# Altium PCB 400389.PcbDoc (part 7 of 8) (continued)
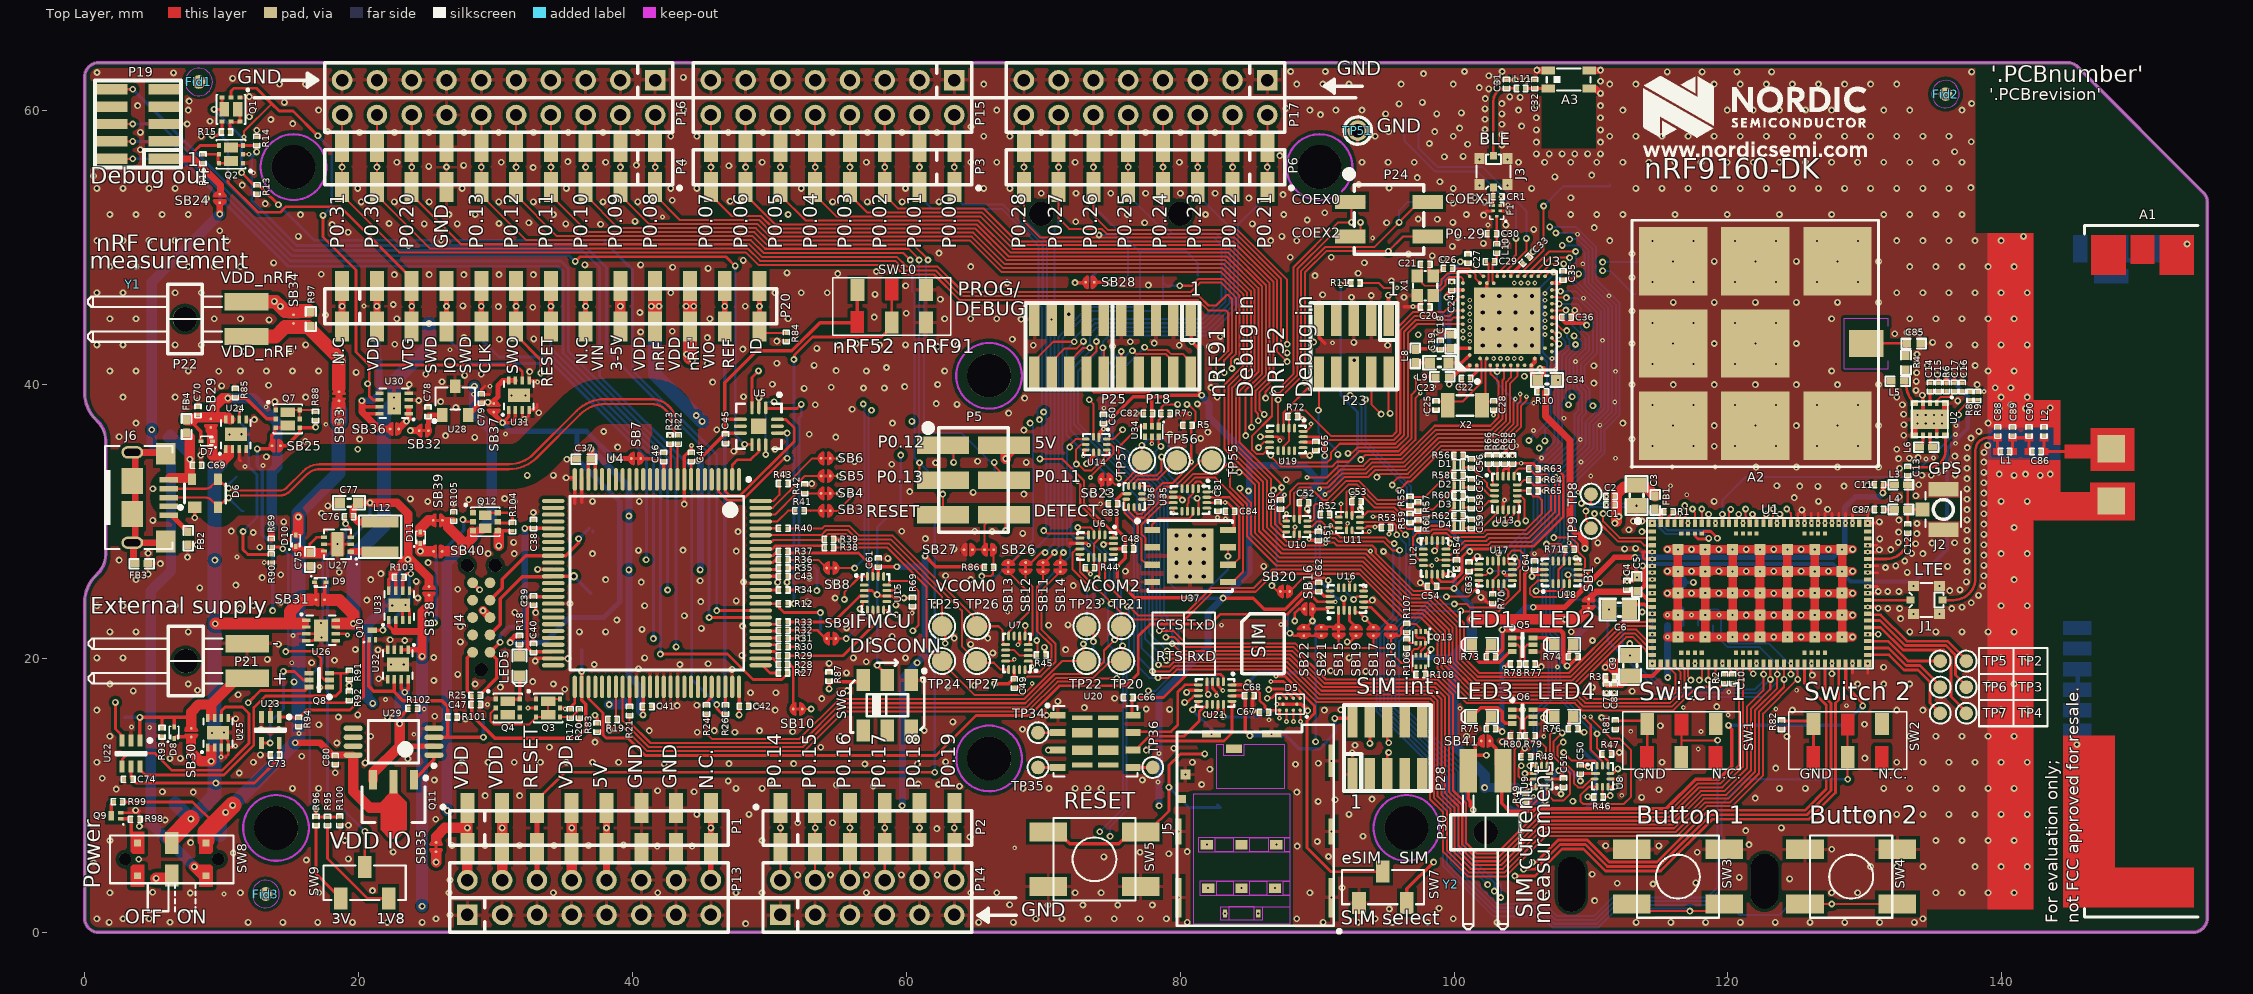
[diagram p0: Top Layer view]
## Nets (pads, with @x,y where several pads share a name; then routed paths per layer and width w, separated by ;. In a path a pad name is that pad's centre, name@x,y a point inside that pad or via, vN(x,y) a via of type N, cw(c..) or ccw(c..) an arc to the next point about the centre after c; other vN are vias at no path point) (continued)
VDD_nRF: C1.1 C2.1 C3.1 FB1.1 P20.10 P22.1 P26.10 R3.1 R97.1 SB34.1 | length 136.1
  Top Layer w0.8: v1@111.874,29.993 111.874,31.991 112.395,32.512 114.038,32.512 FB1.1@114.681,31.869
  Top Layer w1.016: P22.1@11.811,46.049 13.946,46.049 v1(14.288,45.707) 14.63,45.364 R97.1@16.383,45.364 ; P20.10@41.656,44.256 P20.10@41.656,47.186
  Mid-Layer 2 w1.016: 14.139,46.013 15.167,47.041 40.336,47.041 41.656,45.721 ; v1@44.78,37.617 v1(45.085,37.313) 45.269,37.129 45.269,35.529 49.682,31.115 72.216,31.115 73.328,30.003 94.646,30.003 95.885,31.242 107.747,31.242 109.322,29.667 111.467,29.667 111.893,30.093 112.004,30.093 ; v1(111.044,19.356) 111.531,19.843 111.531,29.39 111.262,29.659
  Bottom Layer w1.016: P26.10@41.656,47.117 P26.10@41.656,44.256 41.656,40.742 v1(44.653,37.744) v1(45.085,37.313)
  other v1: 111.531,19.787 111.748,29.883 112.045,30.355 41.377,45.721 41.935,45.72 13.843,46.076
VDD_nRF': P20.11 P22.2 P26.11 R97.2 SB33.2 SB34.2 | length 43.9
  Top Layer w1.016: P22.2@11.811,43.509 13.946,43.509 14.63,44.194 16.309,44.194 18.55,41.953 18.55,39.745 ; 44.196,41.961 P20.11@44.196,44.205 ; P20.11@44.196,44.256 44.196,45.721 P20.11@44.196,47.186
  Mid-Layer 2 w1.016: 18.542,41.961 44.196,41.961
  Bottom Layer w1.016: P26.11@44.196,44.256 44.196,45.721 P26.11@44.196,47.186
  other v1: 18.804,41.707 44.374,41.783 18.364,42.139 43.942,42.215 43.917,45.721 44.475,45.72
VEXT: D8.2 P21.2 R93.2 SB30.2 TP46.1 U22.1 U25.7 U25.8 | length 16.2
  Top Layer w0.254: U22.1@4.028,14.007 v1@4.028,15.698 ; v1@4.028,15.718 4.008,15.698 v1(4.022,15.698) v1@4.028,15.698 ; 4.832,15.698 v1@4.028,15.698 ; R93.2@5.639,14.891 5.639,15.607 5.659,15.607 ; D8.2@6.528,15.001 6.528,15.698 ; 7.419,14.893 SB30.2@7.772,14.893 ; 7.772,16.079 7.391,15.698 6.528,15.698 ; v1@4.028,15.698 6.528,15.698
  Top Layer w0.762: 7.772,15.068 7.772,16.079 8.331,16.638 9.22,16.638 ; 9.22,15.851 9.22,16.638 ; P21.2@11.862,18.543 11.125,18.543 9.22,16.638
  Bottom Layer w0.254: TP46.1@2.921,15.718 v1@4.028,15.718
VFB: C76.1 R95.1 R96.1 R100.2 U27.3 | length 26.1
  Top Layer w0.203: v1(16.891,9.018) 16.891,8.429 R100.2@18.629,8.429 ; C76.1@19.019,30.354 19.019,29.926 19.05,29.895 v1(19.05,29.846) 19.428,29.468 U27.3@19.428,28.845
  Bottom Layer w0.203: v1(16.891,9.018) 16.434,9.475 16.434,18.72 17.376,19.662 17.376,27.179 19.05,28.853 v1(19.05,29.846)
VIN: P1.8 P7.8 P13.16 | length 8.2
  Top Layer w0.381: P13.16@45.72,3.811 P1.8@45.72,6.156 v1(45.72,7.621) P1.8@45.72,9.086
  Bottom Layer w0.381: P7.8@45.72,6.156 v1(45.72,7.621) P7.8@45.72,9.086
VIN3-5V: D9.2 P20.9 P26.9 R94.2 SB31.2 U23.1 U26.7 U26.8 | length 62.5
  Top Layer w0.203: U23.1@14.202,15.724 15.215,15.724 15.285,15.653 R94.2@15.625,15.653 16.203,16.231 19.374,16.231 20.351,17.208 20.351,21.814 v1(19.616,22.55)
  Top Layer w0.254: SB31.2@17.508,24.283 17.508,24.637 17.508,25.446 D9.2@17.616,25.553
  Top Layer w0.762: P20.9@39.116,44.256 v1(39.116,45.721) P20.9@39.116,47.186
  Top Layer w0.889: 17.78,24.258 18.593,24.258 19.616,23.235 v1(19.616,22.55) 18.415,22.55
  Mid-Layer 2 w1.016: v1(25.146,44.451) 37.846,44.451 v1(39.116,45.721)
  Bottom Layer w0.381: P26.9@39.116,44.256 v1(39.116,45.721) P26.9@39.116,47.186
  Bottom Layer w1.016: v1(19.616,22.55) 19.616,27.491 21.844,29.719 21.844,37.898 22.593,38.647 22.593,40.222 25.146,42.775 v1(25.146,44.451)
VIN3-5V_EN: Q8.5 U23.4 U26.6 | length 14.9
  Top Layer w0.203: U23.4@12.902,13.824 v1(13.537,13.824) ; v1(14.503,19.05) 15.316,19.05 15.95,18.416 Q8.5@16.163,18.416 ; U26.6@18.322,21.798 19.054,21.798 19.134,21.718 v2(19.177,21.718)
  Mid-Layer 1 w0.203: v1(14.503,19.05) 15.08,19.05 16.706,20.676 18.135,20.676 v2(19.177,21.718)
  Bottom Layer w0.203: v1(13.537,13.824) 13.537,15.341 14.503,16.308 v1(14.503,19.05)
VIN3-5V_EN_INV: Q8.3 R91.1 U22.6 | length 22
  Top Layer w0.203: U22.6@4.028,12.107 4.028,11.874 4.42,11.482 10.16,11.482 12.344,13.666 12.344,16.408 13.197,17.261 18.327,17.261 18.694,17.628 18.694,18.891 18.72,18.916 ; Q8.3@17.863,18.916 18.72,18.916 ; R91.1@19.304,19.082 19.138,18.916 18.72,18.916
VIO: P1.1 P1.2 P1.4 P7.1 P7.2 P7.4 P13.2 P13.4 P13.8 SB35.1 | length 35.1
  Top Layer w0.762: 25.654,6.685 25.654,6.991 26.284,7.621 v1(27.94,7.621) ; P13.2@27.94,3.811 P1.1@27.94,6.156 v1(27.94,7.621) ; P1.1@27.94,9.086 v1(27.94,7.621) ; P13.4@30.48,3.811 v1(30.48,7.621) P1.2@30.48,9.086 ; P13.8@35.56,3.811 P1.4@35.56,9.086
  Mid-Layer 2 w0.762: v1(27.94,7.621) v1(30.48,7.621) v1(35.56,7.621)
  Bottom Layer w0.762: P7.1@27.94,6.156 P7.1@27.94,9.086 ; P7.2@30.48,6.156 P7.2@30.48,9.086 ; P7.4@35.56,6.156 P7.4@35.56,9.086
VIO_REF: P20.12 P26.12 Q10.1 R101.1 TP53.1 U29.3 U32.6 | length 71.1
  Top Layer w0.254: Q10.1@20.725,21.312 20.725,17.986 21.107,17.603 22.554,17.603 ; U32.6@22.61,18.484 22.61,17.66 22.554,17.603 ; U29.3@25.498,14.243 26.514,14.243 ; v1(29.108,14.243) 26.514,14.243 ; 22.554,17.603 23.239,16.917 26.086,16.917 26.514,16.489 26.514,14.243
  Top Layer w0.381: P20.12@46.736,44.256 v1(46.736,45.721) P20.12@46.736,47.186
  Mid-Layer 2 w0.254: v1(29.108,14.243) 36.518,14.243 37.621,15.345 46.326,15.345 v1(46.736,14.935)
  Bottom Layer w0.254: v1(29.108,14.243) TP53.1@29.108,15.386 ; v1(46.736,14.935) P26.12@46.736,44.256
  Bottom Layer w0.381: P26.12@46.736,44.256 v1(46.736,45.721) P26.12@46.736,47.186
VIOEXT: C55.2 R55.2 R57.2 R59.2 R61.2 R63.2 R64.2 R65.2 R66.2 R67.2 U12.15 U13.14 U13.15 | length 35.7
  Top Layer w0.2: U12.15@98.777,26.156 98.781,26.152 98.781,25.864 99.039,25.606 99.927,25.606 100.581,26.26 100.581,27.403 101.163,27.986 102.598,27.986 102.802,28.189 105.786,28.189 107.976,30.379 107.976,33.363 107.481,33.858 v2(106.553,33.858) R63.2@106.076,33.858 106.076,33.922 105.743,34.255 v2(104.902,34.255) 104.288,34.255 C55.2@104.267,34.234 104.267,34.163 103.984,33.88 ; U13.15@103.584,33.305 103.584,33.734 103.702,33.852 103.956,33.852 103.984,33.88 ; U13.14@103.984,33.305 103.984,33.88
  Top Layer w0.203: R59.2@96.774,29.966 97.937,29.966 v1(97.968,29.997) ; R55.2@96.774,31.262 v2@97.81,31.262 ; v2(102.063,34.804) R66.2@102.514,34.804 R67.2@103.099,34.804 ; R65.2@106.076,32.233 v2(106.553,32.233) ; R64.2@106.076,33.045 v2(106.553,33.045)
  Mid-Layer 1 w0.203: v2(97.866,31.267) 97.866,31.228 97.968,31.126 v1(97.968,29.997) ; v2(102.063,34.804) 102.612,34.255 v2(104.902,34.255) ; v2(106.553,32.233) v2(106.553,33.045) v2(106.553,33.858)
  Bottom Layer w0.203: v1(97.968,29.997) 99.06,29.997 101.144,27.914 v1(101.144,27.812)
VREG: C76.2 C77.2 L12.2 R103.2 SB38.2 SW9.2 TP50.1 U33.7 U33.8 | length 76.6
  Top Layer w0.203: SW9.2@20.442,4.774 20.442,7.362 v1(20.451,7.371)
  Top Layer w0.254: U33.8@22.212,24.952 22.212,25.794 22.504,26.087 ; U33.7@22.712,24.952 22.712,25.503 22.699,25.515 22.699,26.128 22.712,26.128
  Top Layer w0.508: v1(20.828,31.37) C77.2@19.979,31.37 19.589,30.98 C76.2@19.589,30.354 19.965,29.978 L12.2@21.559,29.978
  Top Layer w0.635: v1(20.828,31.37) 22.806,31.37 23.622,30.554 v1@23.622,27.401 ; 22.504,26.087 22.504,26.283 v1@23.622,27.401 ; 25.135,25.425 25.135,25.888 v1@23.622,27.401
  Mid-Layer 2 w0.762: v1(21.031,16.713) 38.227,16.713 v1(38.303,16.637)
  Bottom Layer w0.203: v1(20.451,7.371) 17.729,10.093 17.729,27.033 20.828,30.132 v1(20.828,31.37)
  Bottom Layer w0.762: v1(21.031,16.713) 20.625,17.12 20.625,22.09 20.655,22.119 20.655,22.458 22.708,24.511 22.708,26.34 v1(23.597,27.229) ; v1(38.303,16.637) 39.204,16.637 TP50.1@39.37,16.803
VREG_EN: Q10.3 R103.1 U33.6 | length 7.4
  Top Layer w0.254: Q10.3@21.006,22.068 v1(21.768,22.068) ; U33.6@23.212,24.952 23.212,25.899 R103.1@23.247,25.934 23.501,26.188 v1(23.8,26.188)
  Bottom Layer w0.254: v1(21.768,22.068) 23.679,23.979 23.679,26.068 v1(23.8,26.188)
VSENSE_SW_OUT: SB38.1 SW8.2 TP48.1 U32.1 U32.2 U33.1 U33.2 | length 50.9
  Top Layer w0.254: U33.1@22.212,22.802 22.212,22.367 22.606,21.972 22.712,22.077 U33.2@22.712,22.802 ; U32.2@23.11,20.634 U32.1@23.61,20.634
  Top Layer w0.381: U32.1@23.61,20.634 24.589,20.634 24.632,20.677
  Top Layer w0.508: 22.606,21.972 24.555,21.972 24.632,22.048
  Top Layer w0.635: v1(24.632,20.147) 24.632,20.677 24.632,22.048 24.632,23.439 25.135,23.943 25.135,24.451
  Top Layer w0.889: v1@5.21,3.935 SW8.2@6.35,3.935
  Mid-Layer 2 w0.889: v1(5.207,3.938) 7.239,1.906 v1(24.632,1.906) v1@24.638,1.906
  Bottom Layer w0.889: v1(24.632,1.906) v1(24.632,20.147) 24.632,21.304 TP48.1@24.74,21.412
VSUPPLY: C80.2 D10.2 Q11.2 R91.2 R92.2 R99.2 SB32.2 SB33.1 SW8.6 TP49.1 U29.8 | length 70.1
  Top Layer w0.203: R99.2@2.698,9.526 7.874,9.526 9.462,7.939 ; R92.2@19.304,17.558 v1(19.304,18.02) R91.2@19.304,18.512
  Top Layer w0.508: v1(15.367,13.844) 17.174,13.844 18.076,12.943 U29.8@19.598,12.943 ; v1(23.783,36.637) 24.243,36.637 SB32.2@24.418,36.637
  Top Layer w0.762: D10.2@15.499,29.154 15.596,29.25 v1(15.596,30.328) ; U29.8@19.598,12.775 19.598,10.287 20.793,9.092 22.548,9.092
  Top Layer w1.016: v1(18.542,37.339) v1(18.542,38.101) 18.542,38.576
  Top Layer w1.27: SW8.6@8.85,6.735 8.85,7.327 9.462,7.939 v1(10.279,8.756) v1(10.795,9.272)
  Mid-Layer 2 w0.203: v1(15.291,18.288) 15.519,18.517 18.807,18.517 v1(19.304,18.02)
  Mid-Layer 2 w0.508: v1(18.542,38.101) 20.32,38.101 21.784,36.637 v1(23.783,36.637)
  Bottom Layer w1.016: TP49.1@9.869,7.113 9.869,8.346 v1(10.279,8.756) v1(10.795,9.272) v1(15.367,13.844) 15.621,14.098 15.621,30.328 15.621,30.608 18.542,33.529 v1(18.542,37.339)
  Bottom Layer w1.27: v1(18.542,37.339) v1(18.542,38.101)
VSUPPLY': C73.1 C74.2 D7.1 D8.1 D9.1 D11.1 SB29.1 SB30.1 SB31.1 SB40.1 SW8.5 TP47.1 U22.5 U23.5 U24.1 U24.2 U25.1 U25.2 U26.1 U26.2 | length 80
  Top Layer w0.203: U22.5@3.378,12.107 3.378,11.259 C74.2@3.46,11.177 3.739,10.898 v1(9.576,10.898) 12.388,10.898 14.202,12.711 U23.5@14.202,13.824
  Top Layer w0.254: D8.1@6.528,14.161 6.635,14.268 7.419,14.268 SB30.1@7.772,14.268 ; D9.1@16.776,25.553 16.883,25.446 16.883,24.637 SB31.1@16.883,24.283
  Top Layer w0.762: 7.755,14.094 7.755,13.175 8.433,12.498 v1(9.22,12.498) 9.22,13.311 ; 9.208,36.7 9.323,36.584 D7.1@9.323,35.866 9.323,34.836 v1@9.906,34.253 ; v1(9.906,34.214) 10.528,34.836 10.528,35.205 ; v1@24.511,27.813 v1(24.511,27.839) 24.511,28.219 ; v1@24.638,27.814 25.294,27.814
  Top Layer w0.889: v1@9.55,22.55 14.986,22.55 ; 15.929,22.55 14.986,22.55 ; 16.561,24.283 15.85,24.283 14.986,23.42 14.986,22.55
  Top Layer w1.016: SW8.5@6.35,6.735 SW8.5@6.35,6.884
  Top Layer w1.27: SW8.5@6.35,6.884 v1(7.747,8.281)
  Mid-Layer 2 w0.762: v1(9.5,27.178) 19.05,27.178 19.882,28.01 24.188,28.01 v1@24.511,27.687
  Bottom Layer w1.016: TP47.1@6.604,9.399 7.722,8.281 v1(7.747,8.281) 9.463,9.997 9.463,33.77 v1(9.906,34.214)
  other v1: 9.525,22.53
pads on no net: A2.11 D5.C4 Fid1.0 Fid2.0 Fid3.0 J4.0 J4.5 J4.7 J4.8 J4.9 J5.C6 J5.CSW J5.DSW J6.4 J6.6@3.468,28.451 J6.6@3.468,35.051 J7.0 J7.1 J7.3 J7.5 P18.7 P18.8 P19.7 P19.8 P19.9 P21.0 P22.0 P23.7 P23.8 P25.11 P25.13 P28.3 P28.7 P28.8 P28.9 P28.10 P29.0 P30.0 Q4.3 Q4.4 Q4.5 Q14.3 Q14.4 Q14.5 SW1.1 SW2.1 SW6.4 SW6.5 SW6.6 SW8.0 SW8.1 U1.10 U1.45 U1.51 U1.64 U1.70 U1.71 U1.73 U1.104 U1.105 U1.106 U1.107 U1.108 U1.109 U1.110 U1.111 U1.112 U1.113 U1.114 U1.115 U1.116 U1.117 U1.118 U1.119 U1.120 U1.121 U1.122 U1.123 U1.126 U1.127 U2. U3. U3.A18 U3.AB2 U3.AC5 U3.AC17 U3.AD4 U3.AD6 U3.U1 U4.1 U4.5 U4.6 U4.7 U4.13 U4.14 U4.15 U4.16 U4.17 U4.18 U4.19 U4.20 U4.21 U4.26 U4.27 U4.28 U4.29 U4.31 U4.32 U4.33 U4.35 U4.38 U4.39 U4.42 U4.43 U4.44 U4.45 U4.46 U4.47 U4.50 U4.54 U4.55 U4.56 U4.67 U4.68 U4.69 U4.70 U4.72 U4.86 U5.5 U5.11 U5.13 U6.1 U6.5 U6.9 U6.13 U7.3 U7.7 U7.11 U7.15 U12.1 U12.5 U12.9 U12.10 U12.13 U14.7 U15.1 U15.5 U15.9 U15.13 U16.9 U16.11 U16.12 U16.13 U17.1 U17.5 U17.9 U17.11 U17.12 U17.13 U18.1 U18.5 U18.9 U18.11 U18.12 U18.13 U19.1 U19.5 U19.9 U19.11 U19.12 U19.13 U20.0 U21.10 U29.5 U29.6 U29.7 U34.4 U35.1 U35.5 U35.9 U35.13 U36.5 U36.7
copper on no net: | length 0.2
  Top Layer w0.203: 103.633,27.11 103.633,27.242 ; 108.417,27.11 108.417,27.134
  other v1: 145.485,13.717 153.534,50.267

## Polygon pours and split planes (outlines as drawn)
GND on Mid-Layer 2 "Mid_Layer_2-GND" (solid, remove dead copper, pour order 20): 0,0.001 0,63.501 155,63.501 155,0.001
GND on Bottom Layer "Bottom_Layer-GND" (solid, remove dead copper, pour order 18): 0,0.001 0,63.501 142.24,63.501 142.24,0.001
GND on Mid-Layer 1 "Mid_Layer_1-GND" (solid, remove dead copper, pour order 22): 0,0.001 0,63.501 155,63.501 155,0.001
GND on Top Layer "Top_Layer-GND" (solid, remove dead copper, pour order 24): 0,0.001 0,63.501 142.284,63.501 142.284,0.001

## Keep-outs
Top Layer:
  region: 82.659,10.477 82.659,13.726 83.16,13.727 83.16,12.929 84.684,12.929 84.684,13.727 87.579,13.733 87.579,10.482
  region: 83.591,0.889 83.591,1.905 85.369,1.905 85.369,0.889
  region: 82.55,5.893 82.55,6.909 83.871,6.909 83.871,5.893
  region: 85.09,5.893 85.09,6.909 86.411,6.909 86.411,5.893
  region: 85.09,2.718 85.09,3.734 86.309,3.734 86.309,2.718
  region: 82.652,2.718 82.652,3.734 83.871,3.734 83.871,2.718
  region: 87.63,5.893 87.63,6.909 87.986,6.909 87.986,5.893
  region: 87.528,2.718 87.528,3.734 87.986,3.734 87.986,2.718
  region: 80.975,0.602 80.975,10.127 87.986,10.127 87.986,6.909 81.331,6.909 81.331,5.893 87.986,5.893 87.986,3.734 81.432,3.734 81.432,2.718 87.986,2.718 87.986,1.829 82.931,1.829 82.931,0.914 86.03,0.914 86.03,1.88 87.986,1.88 87.986,0.602
  lines w0.152: 16.336,8.024 ccw(c13.97,7.621) 16.339,8.007 ; 17.606,56.284 ccw(c15.24,55.881) 17.609,56.267 ; 68.406,13.104 ccw(c66.04,12.701) 68.409,13.087 ; 68.406,41.044 ccw(c66.04,40.641) 68.409,41.027 ; 91.077,53.659 cw(c90.17,55.881) 91.803,54.122 ; 98.886,8.024 ccw(c96.52,7.621) 98.889,8.007
Mid-Layer 1:
  circle w0.152: c13.97,7.621 r2.4
  circle w0.152: c15.24,55.881 r2.4
  circle w0.152: c66.04,12.701 r2.4
  circle w0.152: c66.04,40.641 r2.4
  circle w0.152: c90.17,55.881 r2.4
  circle w0.152: c96.52,7.621 r2.4
Mid-Layer 2:
  circle w0.152: c13.97,7.621 r2.4
  circle w0.152: c15.24,55.881 r2.4
  circle w0.152: c66.04,12.701 r2.4
  circle w0.152: c66.04,40.641 r2.4
  circle w0.152: c90.17,55.881 r2.4
  circle w0.152: c96.52,7.621 r2.4
Bottom Layer:
  circle w0.152: c13.97,7.621 r2.4
  circle w0.152: c15.24,55.881 r2.4
  circle w0.152: c66.04,12.701 r2.4
  circle w0.152: c66.04,40.641 r2.4
  circle w0.152: c96.52,7.621 r2.4
  lines w0.152: 90.893,53.592 cw(c90.17,55.881) 91.929,54.248
Keep-Out Layer:
  circle w0.152: c66.04,12.701 r2.4
  circle w0.152: c15.24,55.881 r2.4
  circle w0.152: c66.04,40.641 r2.4
  circle w0.152: c96.52,7.621 r2.4
  circle w0.152: c13.97,7.621 r2.4
  lines w0.152: 90.885,53.59 cw(c90.17,55.881) 91.893,54.21
  lines w0.254: 145.55,63.193 154.72,54.024 cw(c153.996,53.329) 154.999,53.342 155,1.036 cw(c153.964,1.036) 153.964,0 ; 145.551,63.193 ccw(c144.829,62.501) 144.829,63.501 1.016,63.501 ccw(c1.016,62.485) 0,62.485 0,39.381 ccw(c2.716,39.381) 0.796,37.46 0.962,37.294 cw(c-0.393,35.938) 1.524,35.938 1.524,35.751 1.524,27.751 1.524,27.564 cw(c-0.394,27.564) 0.962,26.208 0.796,26.042 ccw(c2.717,24.121) 0,24.121 0,1.017 ccw(c1.016,1.017) 1.016,0.001 153.964,0.001

## Other copper
Top Layer:
  rectangle net GND: 141.732,30.087 142.85,34.416
  rectangle net GND: 141.732,36.867 142.85,38.837
  rectangle net SWITCH1: 116.108,14.366 117.108,15.966
  region net VDD_IMCU: 56.92,45.379 55.92,45.379 55.92,43.779 56.92,43.779
  region net NetR81_2: 114.592,13.592 113.592,13.592 113.592,11.992 114.592,11.992
  region: 119.592,13.592 118.592,13.592 118.592,11.992 119.592,11.992
  region: 131.738,13.592 130.738,13.592 130.738,11.992 131.738,11.992
  region net NetR82_2: 126.738,13.592 125.738,13.592 125.738,11.992 126.738,11.992
  rectangle net NetR12_1: 58.436,46.153 59.436,47.753
  rectangle net SWITCH2: 128.254,14.366 129.254,15.966
  region net VDD_nRF: 111.55,18.5 111.55,18.8 111.25,19.1 110.9,19.1 110.775,19.225 110.775,19.475 111.35,20.05 111.85,20.05 111.95,19.95 111.95,18.5
  region: 111.862,30.328
  pour cut-out: 20.351,19.178 19.304,19.169 19.304,19.051 20.351,19.051
  pour cut-out: 134.507,1.667 142.284,1.667 142.284,0.001 134.507,0.001
  pour cut-out: 1.295,28.205 4.348,28.205 4.342,35.282 1.296,35.282
  pour cut-out: 60.757,53.087 44.956,53.087 44.956,51.817 60.757,51.817
  pour cut-out: 104.219,47.993 104.219,49.936 102.369,49.936 101.323,49.936 101.323,47.993
Mid-Layer 1:
  pour cut-out: 75.69,31.863 73.379,31.863 73.379,34.238 75.69,34.238
  pour cut-out: 24.78,7.038 26.528,7.038 26.528,5.41 24.78,5.41
  pour cut-out: 39.383,35.414 41.131,35.414 41.131,33.786 39.383,33.786
  pour cut-out: 101.426,14.788 103.175,14.788 103.175,13.161 101.426,13.161
  pour cut-out: 110.638,24.877 110.638,23.129 109.01,23.129 109.01,24.877
  pour cut-out: 132.946,24.607 133.734,24.607 133.734,23.921 132.946,23.921
  pour cut-out: 133.05,22.864 133.05,25.664 135.95,25.664 135.95,22.864
  pour cut-out: 135.266,24.607 136.054,24.607 136.054,23.921 135.266,23.921
  pour cut-out: 133.3,39.925 132.5,39.925 132.5,40.575 133.3,40.575
  pour cut-out: 133.325,41.5 133.325,40.7 132.675,40.7 132.675,41.5
  pour cut-out: 133.325,42.5 133.325,41.7 132.675,41.7 132.675,42.5
  pour cut-out: 133.5,42.675 132.7,42.675 132.7,43.325 133.5,43.325
  pour cut-out: 133.264,38.947 133.939,38.947 133.939,38.347 133.264,38.347
  pour cut-out: 135.55,36.572 136.225,36.572 136.225,35.972 135.55,35.972
  pour cut-out: 134.55,35.747 135.35,35.747 135.35,35.097 134.55,35.097
  pour cut-out: 133.6,35.747 134.4,35.747 134.4,35.097 133.6,35.097
  pour cut-out: 72.25,48.678 74.562,48.678 74.562,46.304 72.25,46.304
  pour cut-out: 96.291,23.19 96.291,20.879 88.163,20.879 88.163,23.19
  pour cut-out: 88.798,23.679 86.487,23.679 86.487,26.054 88.798,26.054
  pour cut-out: 8.801,13.336 6.49,13.336 6.49,15.71 8.801,15.71
  pour cut-out: 26.365,23.851 24.054,23.851 24.054,26.225 26.365,26.225
  pour cut-out: 18.301,23.012 15.989,23.012 15.989,25.387 18.301,25.387
  pour cut-out: 27.013,26.608 24.702,26.608 24.702,28.983 27.013,28.983
  pour cut-out: 26.911,28.878 24.6,28.878 24.6,31.253 26.911,31.253
  pour cut-out: 133.505,31.555 137.03,31.555 137.03,30.23 133.505,30.23
  pour cut-out: 131.102,33.005 132.555,33.005 132.555,32.355 131.102,32.355
  pour cut-out: 132.705,33.005 133.505,33.005 133.505,32.355 132.705,32.355
  pour cut-out: 131.102,31.205 132.555,31.205 132.555,30.555 131.102,30.555
  pour cut-out: 132.705,31.205 133.505,31.205 133.505,30.555 132.705,30.555
  pour cut-out: 133.355,29.977 133.355,29.552 132.905,29.552 132.905,29.977
  pour cut-out: 133.355,29.408 133.355,28.983 132.905,28.983 132.905,29.408
  pour cut-out: 132.905,33.752 132.905,34.177 133.355,34.177 133.355,33.752
  pour cut-out: 132.905,33.183 132.905,33.608 133.355,33.608 133.355,33.183
  pour cut-out: 30.912,37.059 28.6,37.059 28.6,39.433 30.912,39.433
  pour cut-out: 8.058,36.017 8.058,38.329 10.433,38.329 10.433,36.017
  pour cut-out: 55.237,29.578 52.926,29.578 52.926,31.953 55.237,31.953
  pour cut-out: 55.237,30.848 52.926,30.848 52.926,33.223 55.237,33.223
  pour cut-out: 55.237,32.118 52.926,32.118 52.926,34.493 55.237,34.493
  pour cut-out: 55.237,33.409 52.926,33.409 52.926,35.783 55.237,35.783
  pour cut-out: 25.886,35.431 23.574,35.431 23.574,37.806 25.886,37.806
  pour cut-out: 71.984,27.744 71.984,25.556 66.624,25.556 66.624,27.744
  pour cut-out: 55.644,25.397 53.333,25.397 53.333,27.771 55.644,27.771
  pour cut-out: 106.366,63.229 110.366,63.229 110.366,57.229 106.366,57.229
  pour cut-out: 134.507,1.667 142.284,1.667 142.284,0.001 134.507,0.001
  pour cut-out: 13.995,43.574 13.995,45.885 16.37,45.885 16.37,43.574
  pour cut-out: 63.354,26.696 63.354,29.008 67.132,29.008 67.132,26.696
  pour cut-out: 12.637,34.43 12.637,36.741 15.011,36.741 15.011,34.43
  pour cut-out: 23.711,35.549 21.4,35.549 21.4,37.923 23.711,37.923
  pour cut-out: 19.761,40.246 19.761,37.935 17.387,37.935 17.387,40.246
  pour cut-out: 129.818,24.607 130.605,24.607 130.605,23.921 129.818,23.921
  pour cut-out: 129.818,27.607 130.605,27.607 130.605,26.921 129.818,26.921
  pour cut-out: 90.475,22.486 88.163,22.486 88.163,24.86 90.475,24.86
  pour cut-out: 71.996,2.351 69.685,2.351 69.685,4.726 71.996,4.726
  pour cut-out: 55.644,20.245 53.333,20.245 53.333,22.619 55.644,22.619
  pour cut-out: 53.289,17.565 53.289,15.254 50.915,15.254 50.915,17.565
Mid-Layer 2:
  pour cut-out: 107.276,41.54 109.024,41.54 109.024,39.566 107.276,39.566
  pour cut-out: 106.366,63.229 110.366,63.229 110.366,57.229 106.366,57.229
  pour cut-out: 134.507,1.667 142.284,1.667 142.284,0.001 134.507,0.001
Bottom Layer:
  rectangle net GND: 141.834,30.325 142.951,38.812
  rectangle: 147.207,48.236 147.735,48.998
  pour cut-out: 89.737,38.483 91.43,40.149 92.579,39 90.807,37.227
  pour cut-out: 75.501,51.357 78.807,51.357 78.807,49.729 75.501,49.729
  pour cut-out: 83.491,27.964 85.239,27.964 85.239,26.336 83.491,26.336
  pour cut-out: 77.191,46.888 77.191,47.65 77.953,47.65 77.953,46.888
  pour cut-out: 77.267,48.26
  pour cut-out: 19.125,30.134 19.126,30.329 20.567,30.329 20.566,30.134
  pour cut-out: 42.061,20.341 42.063,20.702 43.206,20.702 43.204,20.341
  pour cut-out: 94.234,54.22 96.266,54.205 96.266,49.902 94.234,49.916
  pour cut-out: 134.507,1.667 142.284,1.667 142.284,0.001 134.507,0.001
Multi-Layer:
  pour cut-out: 142.284,51.067 138.063,51.067 138.063,63.501 142.284,63.501

## Silkscreen, mask and mechanical layers (free items; w line width, h text height)
Top Overlay:
  drawing of 97 lines, arcs and shapes, not listed
  text "GND" at 91.44,62.231 h1.78
  text "'.PCBnumber'" at 139.176,61.675 h2.03
  text "GND" at 11.125,61.621 h1.78
  text "'.PCBrevision'" at 139.085,60.481 h1.52
  text "GND" at 94.361,58.04 h1.78
  text "BLE" at 101.847,57.226 h1.52
  text "nRF9160-DK" at 113.886,54.508 h2.54
  text "Debug out" at 0.406,54.255 h2.03
  text "COEX1" at 99.365,52.944 h1.27
  text "COEX0" at 88.138,52.914 h1.27
  text "COEX2" at 88.138,50.479 h1.27
  text "P0.29" at 99.365,50.409 h1.27
  text "P0.31" at 19.304,49.912 h1.78 r90
  text "P0.30" at 21.844,49.912 h1.78 r90
  text "P0.20" at 24.384,49.912 h1.78 r90
  text "GND" at 26.924,49.912 h1.78 r90
  text "P0.13" at 29.464,49.912 h1.78 r90
  text "P0.12" at 32.004,49.912 h1.78 r90
  text "P0.11" at 34.544,49.912 h1.78 r90
  text "P0.10" at 37.084,49.912 h1.78 r90
  text "P0.09" at 39.624,49.912 h1.78 r90
  text "P0.08" at 42.164,49.912 h1.78 r90
  text "P0.07" at 46.228,49.912 h1.78 r90
  text "P0.06" at 48.768,49.912 h1.78 r90
  text "P0.05" at 51.308,49.912 h1.78 r90
  text "P0.04" at 53.848,49.912 h1.78 r90
  text "P0.03" at 56.388,49.912 h1.78 r90
  text "P0.02" at 58.928,49.912 h1.78 r90
  text "P0.01" at 61.468,49.912 h1.78 r90
  text "P0.00" at 64.008,49.912 h1.78 r90
  text "P0.28" at 69.088,49.912 h1.78 r90
  text "P0.27" at 71.755,49.912 h1.78 r90
  text "P0.26" at 74.295,49.912 h1.78 r90
  text "P0.25" at 76.835,49.912 h1.78 r90
  text "P0.24" at 79.375,49.912 h1.78 r90
  text "P0.23" at 81.915,49.912 h1.78 r90
  text "P0.22" at 84.455,49.912 h1.78 r90
  text "P0.21" at 86.995,49.912 h1.78 r90
  text "nRF current" at 0.838,49.353 h2.03
  text "measurement" at 0.356,48.058 h2.03
  text "VDD_nRF" at 9.936,47.118 h1.4
  text "PROG/" at 63.748,46.112 h1.78
  text "DEBUG" at 63.542,44.652 h1.78
  text "ID" at 49.714,42.173 h1.4 r90
  text "nRF52   nRF91" at 54.61,41.911 h1.78
  text "VDD_nRF'" at 9.968,41.711 h1.4
  text "N.C" at 19.234,41.457 h1.4 r90
  text "N.C" at 37.014,41.457 h1.4 r90
  text "VIO / REF" at 47.705,41.172 h1.4 r90
  text "VTG" at 24.314,41.056 h1.4 r90
  text "VDD" at 21.774,40.992 h1.4 r90
  text "VDD / nRF" at 42.625,40.99 h1.4 r90
  text "VDD / nRF'" at 45.165,40.983 h1.4 r90
  text "VIN / 3-5V" at 39.554,40.975 h1.4 r90
  text "SWD / IO" at 27.385,40.806 h1.4 r90
  text "SWD / CLK" at 29.925,40.806 h1.4 r90
  text "SWO" at 31.934,40.739 h1.4 r90
  text "RESET" at 34.474,39.811 h1.4 r90
  text "nRF91 / Debug in" at 85.725,38.99 h2.03 r90
  text "nRF52 / Debug in" at 90.025,38.99 h2.03 r90
  text "P0.12" at 57.894,35.083 h1.52
  text "5V" at 69.375,35.032 h1.52
  text "GPS" at 134.62,33.147 h1.52
  text "P0.11" at 69.375,32.568 h1.52
  text "P0.13" at 57.844,32.543 h1.52
  text "DETECT" at 69.287,30.075 h1.52
  text "RESET" at 57.082,30.003 h1.52
  text "LTE" at 133.596,25.782 h1.52
  text "VCOM0" at 62.128,24.562 h1.52
  text "VCOM2" at 72.669,24.562 h1.52
  text "External supply" at 0.381,22.861 h2.03
  text "CTS" at 78.232,21.844 h1.27
  text "TxD" at 80.518,21.844 h1.27
  text "-" at 13.706,20.687 h1.02
  text "IFMCU / DISCONN" at 55.88,20.067 h1.78
  text "SIM" at 86.614,20.019 h1.78 r90
  text "RTS" at 78.232,19.558 h1.27
  text "RxD" at 80.518,19.558 h1.27
  text "+" at 13.706,18.086 h1.02
  text "SIM int." at 92.837,16.988 h2.03
  text "Switch 1" at 113.53,16.5 h2.29
  text "Switch 2" at 125.563,16.5 h2.29
  text "GND" at 113.112,10.954 h1.27
  text "N.C." at 118.827,10.954 h1.27
  text "GND" at 125.258,10.954 h1.27
  text "N.C." at 130.973,10.954 h1.27
  text "VDD" at 30.905,10.488 h1.78 r90
  text "RESET" at 33.445,10.488 h1.78 r90
  text "VDD" at 35.985,10.488 h1.78 r90
  text "5V" at 38.525,10.488 h1.78 r90
  text "GND" at 41.065,10.488 h1.78 r90
  text "GND" at 43.605,10.488 h1.78 r90
  text "P0.14" at 51.225,10.488 h1.78 r90
  text "P0.15" at 53.765,10.488 h1.78 r90
  text "P0.16" at 56.305,10.488 h1.78 r90
  text "P0.17" at 58.845,10.488 h1.78 r90
  text "P0.18" at 61.385,10.488 h1.78 r90
  text "P0.19" at 63.925,10.488 h1.78 r90
  text "VDD" at 28.365,10.463 h1.78 r90
  text "N.C." at 46.253,10.466 h1.78 r90
  text "RESET" at 71.501,8.617 h2.03
  text "Button 1" at 113.298,7.494 h2.29
  text "Button 2" at 125.952,7.494 h2.29
  text "VDD IO" at 17.907,5.716 h2.03
  text "eSIM" at 91.8,4.7 h1.52
  text "SIM" at 96,4.7 h1.52
  text "Power" at 1.524,3.176 h2.03 r90
  text "SIM current" at 106.147,1.064 h2.03 r90
  text "GND" at 68.402,0.762 h1.78
  text "For evaluation only; / not FCC approved for resale." at 145.898,0.66 h1.52 r90
  text "3V" at 18.018,0.621 h0.76
  text "1V8" at 21.315,0.621 h0.76
  text "measurement" at 107.442,0.582 h2.03 r90
  text "OFF" at 2.921,0.255 h1.78
  text "ON" at 6.731,0.255 h1.78
  text "SIM select" at 91.714,0.178 h1.78